# Altium PCB MAIN.PcbDoc (part 2 of 2)
Units mm, origin at the board's own origin, x right, y up, seen from the top; angles counter-clockwise.
Board outline 75 x 75 mm, 4 copper layers (L01 - GND, L02 - SIG, L03 - GND, L04 - SIG), stack 1.564 mm thick; 101 components, 97 nets, 439 pads, 291 vias.
Unrouted connection lines stored in the file: 115.
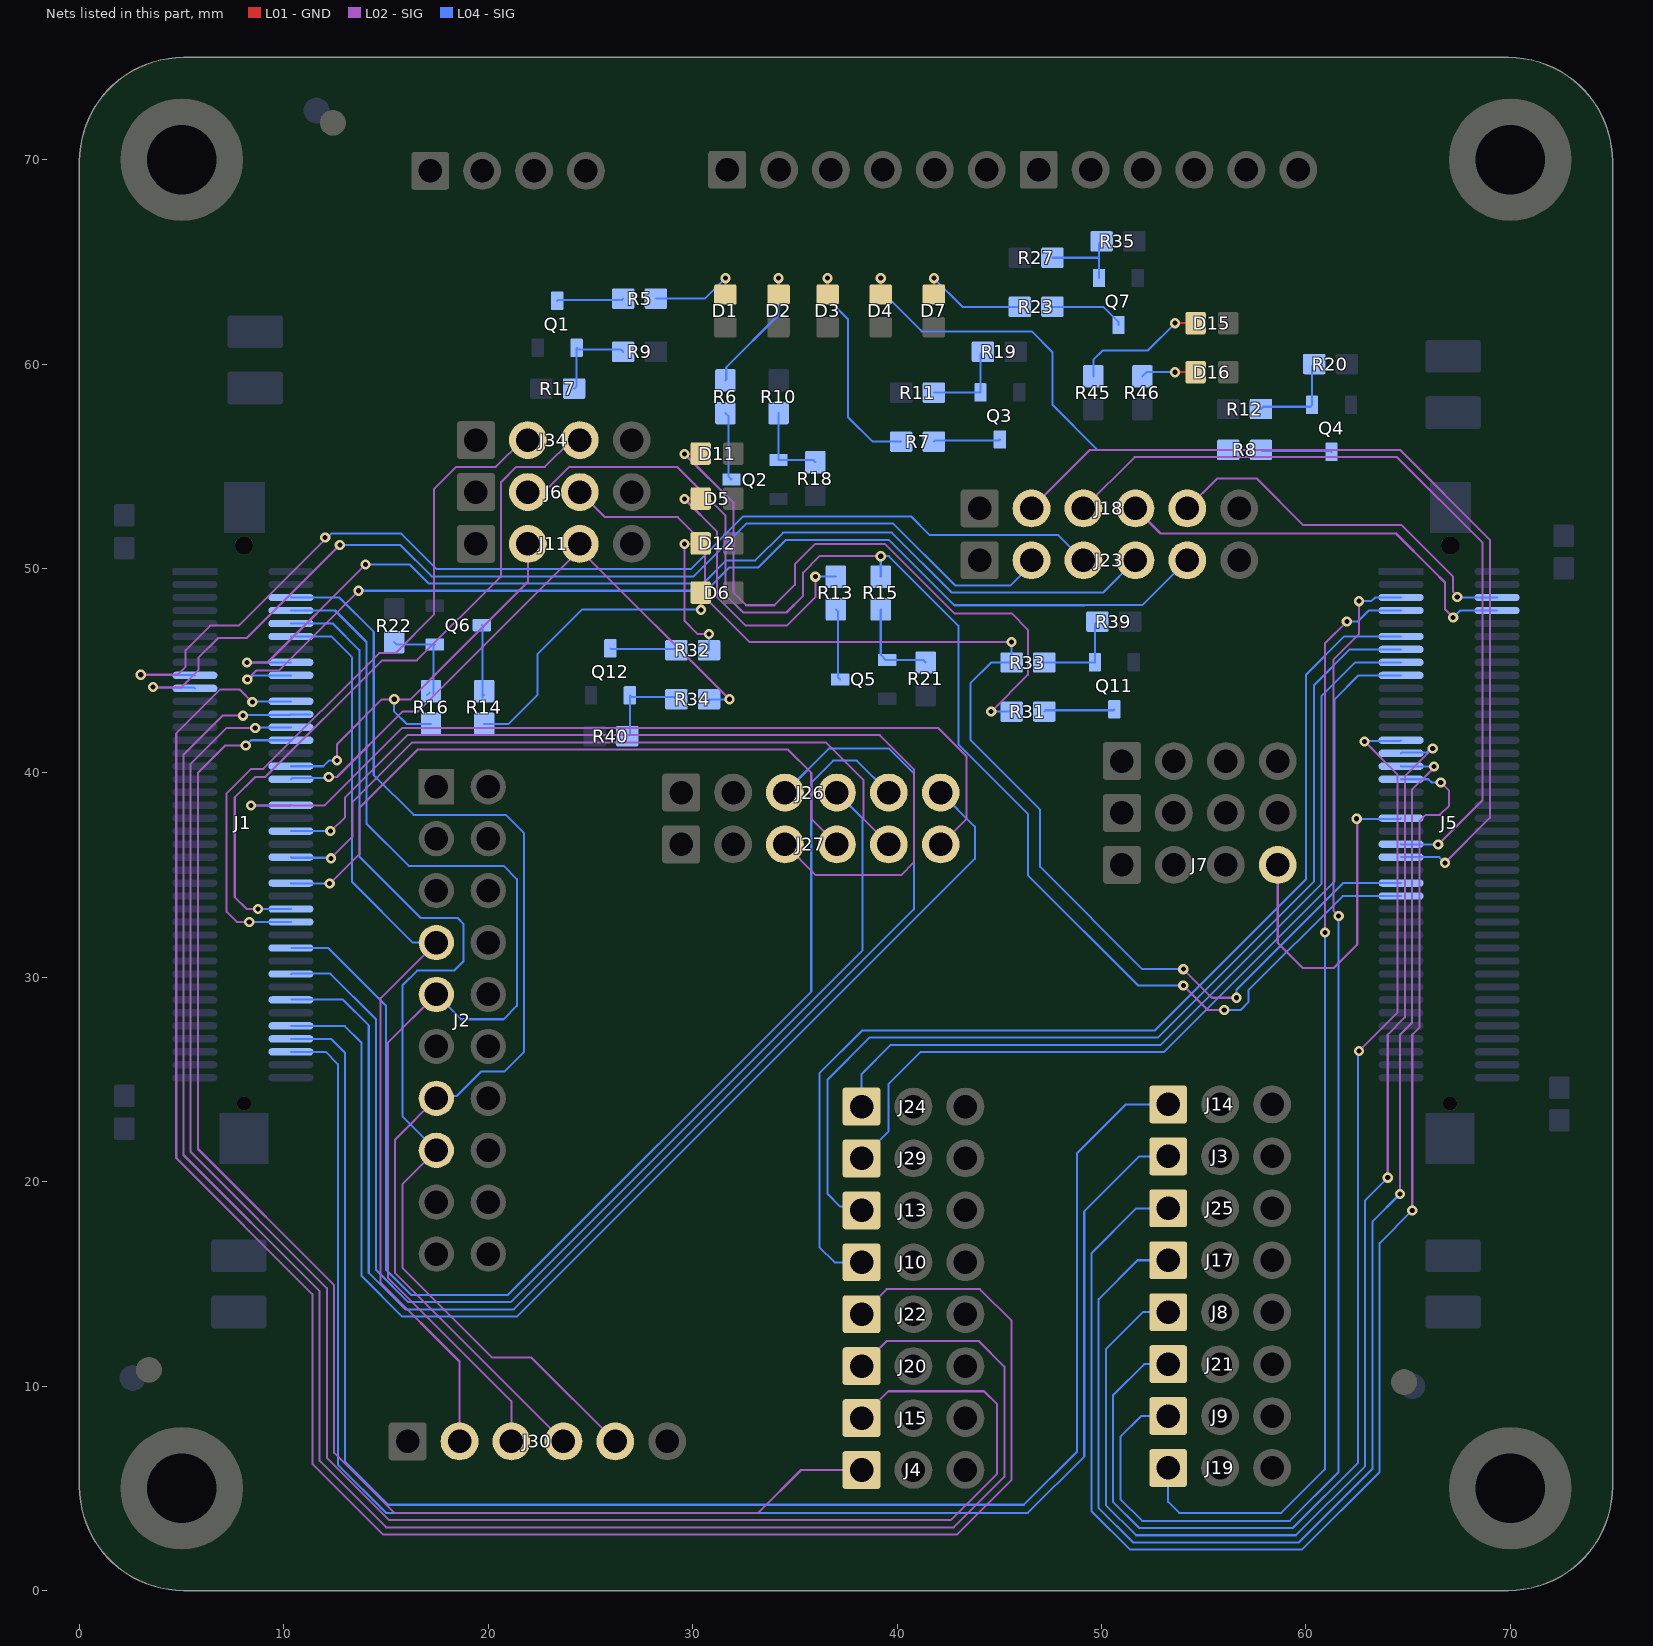
[diagram p4: the nets of this part, all layers, seen from the top]

## Via types
v1: diameter 0.5, hole 0.25, L01 - GND to L04 - SIG, tented both sides, 291 vias

## Nets (pads, with @x,y where several pads share a name; then routed paths per layer and width w, separated by ;. In a path a pad name is that pad's centre, name@x,y a point inside that pad or via, vN(x,y) a via of type N, cw(c..) or ccw(c..) an arc to the next point about the centre after c; other vN are vias at no path point) (continued)
I2C3_SDA: J5.20 J7.4 | length 17
  L02 - SIG w0.1: J7.4@58.62,35.5 58.62,31.679 59.499,30.8 59.853,30.446 61.347,30.446 61.701,30.8 62.508,31.607 62.508,37.725 v1(62.479,37.754)
  L04 - SIG w0.1: v1(62.479,37.754) 64.619,37.754 J5.20@64.65,37.785
LPUART1_RX: J1.68 J34.2 | length 34.6
  L02 - SIG w0.1: v1(8.311,32.711) 7.689,32.711 7.2,33.2 7.2,39 8.4,40.2 9,40.2 14.662,45.862 15.462,45.862 17.354,47.754 17.354,53.893 18.43,54.969 20.369,54.969 21.68,56.28 J34.2@21.94,56.28
  L04 - SIG w0.1: v1(8.311,32.711) 8.314,32.708 10.347,32.708 J1.68@10.35,32.705
LPUART1_TX: J1.67 J34.3 | length 34.7
  L02 - SIG w0.1: v1(8.734,33.347) 8.176,33.347 7.6,33.923 7.6,38.8 8.6,39.8 9.101,39.8 14.809,45.508 16.508,45.508 20.629,49.629 20.629,54.229 21.369,54.969 22.769,54.969 24.08,56.28 J34.3@24.48,56.28
  L04 - SIG w0.1: v1(8.734,33.347) 8.738,33.343 10.347,33.343 J1.67@10.35,33.34
NetD1_2: D1.2 R5.2 | length 4.6
  L01 - GND w0.1: D1.2@31.6,63.4 v1(31.6,64.2)
  L04 - SIG w0.1: R5.2@28.2,63.2 30.6,63.2 v1(31.6,64.2)
NetD2_2: D2.2 R6.2 | length 6.9
  L01 - GND w0.1: D2.2@34.2,63.4 v1(34.2,64.2)
  L04 - SIG w0.1: R6.2@31.6,59.2 31.641,59.241 31.641,59.841 34.2,62.4 v1(34.2,64.2)
NetD3_2: D3.2 R7.2 | length 11.1
  L01 - GND w0.1: D3.2@36.6,63.4 v1(36.6,64.2)
  L04 - SIG w0.1: v1(36.6,64.2) 36.6,63.2 37.6,62.2 37.6,57.4 38.8,56.2 R7.2@40.2,56.2
NetD4_2: D4.2 R8.2 | length 23.1
  L01 - GND w0.1: D4.2@39.2,63.4 v1(39.2,64.2)
  L04 - SIG w0.1: v1(39.2,64.2) 39.2,63.6 41.2,61.6 46.583,61.6 47.6,60.583 47.6,58 49.8,55.8 R8.2@56.2,55.8
NetD5_2: D5.2 R13.2 | length 14.2
  L01 - GND w0.1: v1(29.6,53.4) 29.622,53.422 D5.2@30.39,53.422
  L02 - SIG w0.1: v1(29.6,53.4) 31.2,51.8 31.2,48.6 32.6,47.2 34.6,47.2 36,48.6 v1(36,49.6)
  L04 - SIG w0.1: v1(36,49.6) R13.2@37,49.6
NetD6_2: D6.2 R14.2 | length 15
  L01 - GND w0.1: D6.2@30.39,48.822 30.405,48.807 v1(30.405,47.977)
  L04 - SIG w0.1: R14.2@19.8,42.4 21,42.4 22.4,43.8 22.4,45.8 24.6,48 30.382,48 v1(30.405,47.977)
NetD7_2: D7.2 R23.2 | length 5.6
  L01 - GND w0.1: D7.2@41.8,63.4 v1(41.8,64.2)
  L04 - SIG w0.1: v1(41.8,64.2) 43.2,62.8 R23.2@46,62.8
NetD11_2: D11.2 R31.2 | length 32.5
  L01 - GND w0.1: v1(29.6,55.6) 30.368,55.6 D11.2@30.39,55.622
  L02 - SIG w0.1: v1(29.6,55.6) 32,53.2 32,48.817 32.617,48.2 34,48.2 35,49.2 35,50.2 36,51.2 39.4,51.2 42.8,47.8 45.6,47.8 46.4,47 46.4,44.8 v1(44.6,43)
  L04 - SIG w0.1: v1(44.6,43) R31.2@45.6,43
NetD12_2: D12.2 R32.2 | length 6.8
  L01 - GND w0.1: v1(29.6,51.2) 30.368,51.2 D12.2@30.39,51.222
  L02 - SIG w0.1: v1(29.6,51.2) 29.6,47.433 30.233,46.8 v1(30.8,46.8)
  L04 - SIG w0.1: R32.2@30.8,46 v1(30.8,46.8)
NetD15_2: D15.2 R45.2 | length 6.5
  L01 - GND w0.1: v1(53.6,62) D15.2@54.6,62
  L04 - SIG w0.1: R45.2@49.6,59.4 49.6,60.2 50.062,60.662 52.262,60.662 v1(53.6,62)
NetD16_2: D16.2 R46.2 | length 2.7
  L01 - GND w0.1: v1(53.6,59.6) D16.2@54.6,59.6
  L04 - SIG w0.1: R46.2@52,59.4 52.2,59.6 v1(53.6,59.6)
NetQ1_1: Q1.1 R9.1 R17.2 | length 4.4
  L04 - SIG w0.1: R17.2@24.2,58.8 24.323,58.923 Q1.1@24.323,60.79 24.408,60.705 26.495,60.705 R9.1@26.6,60.6
NetQ1_3: Q1.3 R5.1 | length 3.3
  L04 - SIG w0.1: Q1.3@23.373,63.09 23.418,63.135 26.535,63.135 R5.1@26.6,63.2
NetQ2_1: Q2.1 R10.1 R18.2 | length 4.1
  L04 - SIG w0.1: R10.1@34.2,57.6 Q2.1@34.2,55.3 35.9,55.3 R18.2@36,55.2
NetQ2_3: Q2.3 R6.1 | length 3.4
  L04 - SIG w0.1: R6.1@31.6,57.6 31.76,57.44 31.76,54.49 Q2.3@31.9,54.35
NetQ3_1: Q3.1 R11.1 R19.2 | length 4.3
  L04 - SIG w0.1: R11.1@41.8,58.6 41.81,58.61 Q3.1@44.077,58.61 44.077,60.477 R19.2@44.2,60.6
NetQ3_3: Q3.3 R7.1 | length 3.3
  L04 - SIG w0.1: R7.1@41.8,56.2 41.865,56.265 44.982,56.265 Q3.3@45.027,56.31
NetQ4_1: Q4.1 R12.1 R20.2 | length 4.6
  L04 - SIG w0.1: R12.1@57.8,57.8 57.91,57.91 60.21,57.91 Q4.1@60.3,58 60.3,59.9 R20.2@60.4,60
NetQ4_3: Q4.3 R8.1 | length 3.5
  L04 - SIG w0.1: R8.1@57.8,55.8 57.86,55.74 61.21,55.74 Q4.3@61.25,55.7
NetQ5_1: Q5.1 R15.1 R21.2 | length 4.6
  L04 - SIG w0.1: R15.1@39.2,48 39.2,45.773 39.45,45.523 Q5.1@39.511,45.523 41.277,45.523 R21.2@41.4,45.4
NetQ5_3: Q5.3 R13.1 | length 3.5
  L04 - SIG w0.1: R13.1@37,48 37.115,47.885 37.115,44.668 Q5.3@37.211,44.573
NetQ6_1: Q6.1 R16.1 R22.2 | length 4.8
  L04 - SIG w0.1: R22.2@15.4,46.4 15.523,46.277 Q6.1@17.39,46.277 17.33,46.217 R16.1@17.33,43.73 ; R16.1@17,43.8 R16.1@17.13,43.93
NetQ6_3: Q6.3 R14.1 | length 3.7
  L04 - SIG w0.1: Q6.3@19.69,47.227 19.71,47.207 R14.1@19.71,43.69 ; R14.1@19.71,43.89 R14.1@19.8,43.8
NetQ7_1: Q7.1 R27.1 R35.2 | length 4.1
  L04 - SIG w0.1: R27.1@47.6,65.2 49.877,65.2 ; Q7.1@49.877,64.21 49.877,65.2 ; R35.2@50,66 49.877,65.877 49.877,65.2
NetQ7_3: Q7.3 R23.1 | length 3.7
  L04 - SIG w0.1: R23.1@47.6,62.8 50.087,62.8 50.827,62.06 Q7.3@50.827,61.91
NetQ11_1: Q11.1 R33.1 R39.2 | length 4.5
  L04 - SIG w0.1: R33.1@47.2,45.4 47.21,45.41 Q11.1@49.677,45.41 49.677,47.277 R39.2@49.8,47.4
NetQ11_3: Q11.3 R31.1 | length 3.5
  L04 - SIG w0.1: R31.1@47.2,43 47.265,43.065 50.582,43.065 Q11.3@50.627,43.11
NetQ12_1: Q12.1 R34.1 R40.2 | length 4.4
  L04 - SIG w0.1: R40.2@26.8,41.8 26.923,41.923 Q12.1@26.923,43.79 27.008,43.705 29.095,43.705 R34.1@29.2,43.6
NetQ12_3: Q12.3 R32.1 | length 3.3
  L04 - SIG w0.1: Q12.3@25.973,46.09 26.008,46.055 29.145,46.055 R32.1@29.2,46
NRST: J1.45 J2.15 J30.5 | length 54.9
  L02 - SIG w0.1: J2.15@17.46,21.54 15.8,19.88 15.8,15.8 20.2,11.4 22.115,11.4 J30.5@26.215,7.3
  L04 - SIG w0.1: J1.45@10.35,47.31 12.39,47.31 13.692,46.008 13.692,35.908 16.7,32.9 18.5,32.9 18.8,32.6 18.8,30.8 18.327,30.327 16.526,30.327 15.8,29.6 15.8,23.2 J2.15@17.46,21.54
SPI1_MISO: J1.72 J26.4 | length 57.2
  L04 - SIG w0.1: J1.72@10.362,30.153 10.392,30.183 12.273,30.183 14.508,27.947 14.508,15.693 16.093,14.108 21.107,14.108 38.3,31.301 38.3,37.795 J26.4@37.055,39.04
SPI1_MOSI: J1.70 J26.5 | length 61.3
  L04 - SIG w0.1: J1.70@10.377,31.437 12.163,31.437 15,28.6 15,15.702 16.24,14.462 20.96,14.462 35.8,29.302 35.8,39.523 36.877,40.6 38.035,40.6 J26.5@39.595,39.04
SPI1_NSS: J1.76 J26.6 | length 59.2
  L04 - SIG w0.1: J1.76@10.362,27.613 12.987,27.613 13.8,26.8 13.8,15.4 15.8,13.4 21.4,13.4 43.8,35.8 43.8,37.375 J26.6@42.135,39.04
SPI1_SCK: J1.74 J26.3 | length 66.3
  L04 - SIG w0.1: J1.74@10.385,28.905 12.895,28.905 14.154,27.646 14.154,15.547 15.947,13.754 21.253,13.754 40.824,33.324 40.824,39.976 39.6,41.2 36.675,41.2 J26.3@34.515,39.04
SPI2_MISO: J1.65 J27.4 | length 34
  L02 - SIG w0.1: v1(12.242,34.585) 13.708,36.051 13.708,38.308 16.538,41.138 34.662,41.138 35.8,40 35.8,37.755 J27.4@37.055,36.5
  L04 - SIG w0.1: J1.65@10.35,34.61 10.362,34.598 12.229,34.598 v1(12.242,34.585)
SPI2_MOSI: J1.63 J27.5 | length 35.8
  L02 - SIG w0.1: v1(12.305,35.82) 13.354,36.869 13.354,38.554 16.292,41.492 36.508,41.492 38.366,39.634 38.366,37.729 J27.5@39.595,36.5
  L04 - SIG w0.1: J1.63@10.35,35.88 10.38,35.85 12.275,35.85 v1(12.305,35.82)
SPI2_NSS: J1.59 J27.6 | length 43.9
  L02 - SIG w0.1: v1(8.4,38.4) 11.983,38.4 15.783,42.2 42,42.2 43.4,40.8 43.4,37.765 J27.6@42.135,36.5
  L04 - SIG w0.1: v1(8.4,38.4) 8.41,38.41 10.34,38.41 J1.59@10.35,38.42
SPI2_SCK: J1.61 J27.3 | length 45.4
  L02 - SIG w0.1: v1(12.275,37.164) 12.329,37.164 13,37.836 13,38.8 16.046,41.846 39.154,41.846 40.824,40.176 40.824,35.624 40.2,35 36.015,35 J27.3@34.515,36.5
  L04 - SIG w0.1: J1.61@10.35,37.15 10.357,37.157 12.268,37.157 v1(12.275,37.164)
SWCLK: J1.44 J2.9 J30.3 | length 58
  L02 - SIG w0.1: J2.9@17.46,29.16 15.092,26.792 15.092,15.307 21.135,9.264 J30.3@21.135,7.3
  L04 - SIG w0.1: J1.44@10.35,47.945 12.505,47.945 14.046,46.404 14.046,37.508 16.104,35.45 20.75,35.45 21.4,34.8 21.4,28.6 20.75,27.95 18.67,27.95 J2.9@17.46,29.16
SWDIO: J1.46 J2.7 J30.2 | length 46.9
  L02 - SIG w0.1: J2.7@17.46,31.7 14.738,28.978 14.738,15.062 18.595,11.205 J30.2@18.595,7.3
  L04 - SIG w0.1: J1.46@10.35,46.675 12.325,46.675 13.338,45.662 13.338,34.662 16.3,31.7 J2.7@17.46,31.7
SWO: J1.43 J2.13 J30.4 | length 57.2
  L02 - SIG w0.1: J2.13@17.46,24.08 15.446,22.066 15.446,15.529 J30.4@23.675,7.3
  L04 - SIG w0.1: J1.43@10.35,48.58 12.72,48.58 14.4,46.9 14.4,39.893 16.347,37.947 20.853,37.947 21.754,37.046 21.754,26.354 20.8,25.4 19.67,25.4 18.473,24.202 17.582,24.202 J2.13@17.46,24.08
TIM1_CH1: J1.78 J3.1 | length 78
  L04 - SIG w0.1: J1.78@10.35,26.355 12.045,26.355 12.646,25.754 12.646,6.154 15,3.8 46.4,3.8 49.154,6.554 49.154,18.554 51.84,21.24 J3.1@53.26,21.24
TIM1_CH2: J1.77 J14.1 | length 80.7
  L04 - SIG w0.1: J1.77@10.35,26.99 12.306,26.99 13,26.296 13,6.301 15.101,4.2 46.2,4.2 48.8,6.8 48.8,21.4 51.18,23.78 J14.1@53.26,23.78
TIM3_CH1: J5.6 J10.1 | length 54
  L04 - SIG w0.1: J10.1@38.26,16.06 36.94,16.06 36.2,16.8 36.2,25.299 38.301,27.4 52.597,27.4 60,34.803 60,44.8 61.875,46.675 J5.6@64.65,46.675
TIM3_CH2: J5.7 J13.1 | length 50
  L04 - SIG w0.1: J13.1@38.26,18.6 38.06,18.8 37.2,18.8 36.6,19.4 36.6,25 38.646,27.046 52.744,27.046 60.4,34.702 60.4,44.299 62.141,46.04 J5.7@64.65,46.04
TIM3_CH3: J5.8 J24.1 | length 41.7
  L04 - SIG w0.1: J24.1@38.26,23.68 38.26,25.26 39.692,26.692 52.891,26.692 60.754,34.555 60.754,43.754 62.405,45.405 J5.8@64.65,45.405
TIM3_CH4: J5.9 J29.1 | length 42.8
  L04 - SIG w0.1: J29.1@38.26,21.14 39.571,22.451 39.571,24.771 41.138,26.338 53.037,26.338 61.4,34.701 61.4,43.6 62.57,44.77 J5.9@64.65,44.77
TIM4_CH1: J1.54 J4.1 | length 69.1
  L02 - SIG w0.1: v1(8.139,41.341) 7.141,41.341 5.8,40 5.8,21.6 12.462,14.938 12.462,6.738 15.4,3.8 33.2,3.8 35.3,5.9 J4.1@38.26,5.9
  L04 - SIG w0.1: v1(8.139,41.341) 8.395,41.597 10.347,41.597 J1.54@10.35,41.595
TIM4_CH2: J1.53 J15.1 | length 88.2
  L02 - SIG w0.1: v1(8.6,42.2) 7.2,42.2 5.446,40.446 5.446,21.453 12.108,14.791 12.108,6.492 15.154,3.446 42.624,3.446 44.892,5.714 44.892,9.108 44.249,9.751 39.571,9.751 J15.1@38.26,8.44
  L04 - SIG w0.1: v1(8.6,42.2) 8.615,42.215 10.335,42.215 J1.53@10.35,42.23
TIM4_CH3: J1.52 J20.1 | length 93.6
  L02 - SIG w0.1: v1(8,42.8) 7,42.8 5.092,40.892 5.092,21.307 11.754,14.645 11.754,6.345 15.007,3.092 42.771,3.092 45.246,5.567 45.246,10.954 43.991,12.209 39.489,12.209 J20.1@38.26,10.98
  L04 - SIG w0.1: v1(8,42.8) 8.032,42.833 10.317,42.833 J1.52@10.35,42.865 J1.52@11.27,42.865
TIM4_CH4: J1.51 J22.1 | length 98.3
  L02 - SIG w0.1: v1(8.459,43.465) 7.855,44.069 6.871,44.069 4.738,41.936 4.738,21.16 11.4,14.498 11.4,6.199 14.861,2.738 42.917,2.738 45.6,5.421 45.6,13.2 44.051,14.749 39.489,14.749 J22.1@38.26,13.52
  L04 - SIG w0.1: v1(8.459,43.465) 8.477,43.483 10.333,43.483 J1.51@10.35,43.5
TIM5_CH1: J5.14 J21.1 | length 60.9
  L02 - SIG w0.1: v1(62.6,26.4) 64.484,28.284 64.484,39.918 v1(62.868,41.534)
  L04 - SIG w0.1: J21.1@53.26,11.08 52.08,11.08 50.57,9.57 50.57,4.329 51.837,3.062 59.36,3.062 62.538,6.24 62.538,26.338 v1(62.6,26.4) ; v1(62.868,41.534) 62.898,41.565 64.62,41.565 J5.14@64.65,41.595
TIM5_CH2: J5.15 J8.1 | length 64.2
  L02 - SIG w0.1: v1(64,20.2) 64,27.2 64.838,28.038 64.838,39.838 v1(66.2,41.2)
  L04 - SIG w0.1: J8.1@53.26,13.62 52.02,13.62 50.216,11.816 50.216,4.183 51.691,2.708 59.507,2.708 62.892,6.093 62.892,19.092 v1(64,20.2) ; J5.15@64.65,40.96 64.698,41.008 65.9,41.008 66.092,41.2 v1(66.2,41.2)
TIM5_CH3: J5.16 J17.1 | length 67.2
  L02 - SIG w0.1: v1(64.6,19.4) 64.6,27.2 65.192,27.792 65.192,39.192 66.266,40.266 v1(66.266,40.316)
  L04 - SIG w0.1: J17.1@53.26,16.16 51.76,16.16 49.862,14.262 49.862,4.036 51.544,2.354 59.653,2.354 63.246,5.947 63.246,18.046 v1(64.6,19.4) ; J5.16@64.65,40.325 64.655,40.32 66.261,40.32 v1(66.266,40.316)
TIM5_CH4: J5.17 J25.1 | length 71.5
  L02 - SIG w0.1: v1(65.2,18.6) 65.2,27.2 65.563,27.563 65.563,29.299 65.546,29.316 65.546,37.633 65.859,37.946 66.546,37.946 67,38.4 67,39.126 v1(66.593,39.533)
  L04 - SIG w0.1: J25.1@53.26,18.7 51.7,18.7 49.508,16.508 49.508,3.889 51.397,2 59.8,2 63.6,5.8 63.6,17 v1(65.2,18.6) ; J5.17@64.65,39.69 65.987,39.69 66.143,39.534 66.591,39.534 v1(66.593,39.533)
TIM16_CH1: J5.3 J9.1 | length 63.2
  L02 - SIG w0.1: v1(61.6,33) 61.354,33.246 61.354,45.554 62.6,46.8 v1(62.6,48.4)
  L04 - SIG w0.1: J9.1@53.26,8.54 51.94,8.54 50.924,7.524 50.924,4.476 51.984,3.416 59.213,3.416 61.6,5.803 v1(61.6,33) ; v1(62.6,48.4) 63.2,48.4 63.38,48.58 J5.3@64.65,48.58
TIM17_CH1: J5.4 J19.1 | length 55.2
  L02 - SIG w0.1: v1(60.928,32.19) 60.928,46.328 v1(62,47.4)
  L04 - SIG w0.1: J19.1@53.26,6 53.26,4.34 53.8,3.8 58.8,3.8 60.928,5.928 v1(60.928,32.19) ; v1(62,47.4) 62.522,47.4 63.067,47.945 J5.4@64.65,47.945
UART4_CTS: J5.43 J18.5 | length 18.6
  L02 - SIG w0.1: J18.5@54.195,52.94 55.655,54.4 57.6,54.4 59.877,52.123 64.677,52.123 67.2,49.6 67.2,48.859 67.4,48.659 v1(67.4,48.6)
  L04 - SIG w0.1: v1(67.4,48.6) 67.41,48.59 69.34,48.59 J5.43@69.35,48.58
UART4_RTS: J5.44 J18.4 | length 20.8
  L02 - SIG w0.1: J18.4@51.655,52.94 52.884,51.711 64.402,51.711 66.207,49.907 66.8,49.313 66.8,48 v1(67.2,47.6)
  L04 - SIG w0.1: v1(67.2,47.6) 67.545,47.945 J5.44@69.35,47.945
UART4_RX: J5.23 J18.2 | length 44.4
  L02 - SIG w0.1: J18.2@46.575,52.94 49.435,55.8 64.6,55.8 69,51.4 69,37.8 v1(66.8,35.6)
  L04 - SIG w0.1: J5.23@64.65,35.88 66.52,35.88 v1(66.8,35.6)
UART4_TX: J5.22 J18.3 | length 39.8
  L02 - SIG w0.1: J18.3@49.115,52.94 51.621,55.446 64.453,55.446 68.646,51.253 68.646,38.676 v1(66.466,36.496)
  L04 - SIG w0.1: J5.22@64.65,36.515 64.659,36.506 66.457,36.506 v1(66.466,36.496)
USART1_CTS: J1.49 J23.5 | length 53.3
  L02 - SIG w0.1: v1(8.214,44.575) 8.64,45 9.75,45 v1(13.659,48.909)
  L04 - SIG w0.1: v1(8.214,44.575) 8.323,44.575 8.518,44.77 J1.49@10.35,44.77 ; v1(13.659,48.909) 30.66,48.909 31.797,50.046 33.213,50.046 34.567,51.4 39.6,51.4 42.8,48.2 49.164,48.2 49.168,48.204 51.999,48.204 J23.5@54.195,50.4
USART1_RTS: J1.48 J23.4 | length 50.9
  L02 - SIG w0.1: v1(8.2,45.4) 9.2,45.4 v1(14,50.2)
  L04 - SIG w0.1: v1(8.2,45.4) 8.202,45.402 10.347,45.402 J1.48@10.35,45.405 ; v1(14,50.2) 16.15,50.2 17.087,49.263 30.513,49.263 31.65,50.4 33.067,50.4 34.421,51.754 39.747,51.754 42.684,48.817 50.072,48.817 J23.4@51.655,50.4
USART1_RX: J1.10 J23.2 | length 51.9
  L02 - SIG w0.1: v1(3.6,44.2) 3.621,44.179 4.979,44.179 5.823,45.023 5.823,45.623 6.8,46.6 8.192,46.6 v1(12.74,51.148)
  L04 - SIG w0.1: v1(3.6,44.2) 3.633,44.167 5.617,44.167 J1.10@5.65,44.135 ; v1(12.74,51.148) 15.703,51.148 17.234,49.617 30.048,49.617 32.627,52.196 39.805,52.196 42.83,49.171 45.55,49.171 46.575,50.196 J23.2@46.575,50.4
USART1_TX: J1.9 J23.3 | length 54.8
  L02 - SIG w0.1: v1(3,44.8) 4.8,44.8 5.2,45.2 5.2,46 6.4,47.2 7.8,47.2 12.023,51.423 v1(12.023,51.508)
  L04 - SIG w0.1: v1(3,44.8) 3.015,44.785 5.635,44.785 J1.9@5.65,44.77 ; v1(12.023,51.508) 12.132,51.508 12.327,51.704 15.746,51.704 17.479,49.971 29.901,49.971 32.48,52.55 40.68,52.55 41.601,51.629 47.886,51.629 J23.3@49.115,50.4
USART2_RX: J5.26 J6.2 R15.2 | length 68.3
  L02 - SIG w0.1: J6.2@21.94,53.74 22.213,54.013 23.015,54.013 23.971,54.969 29.231,54.969 31.6,52.6 31.6,48.716 32.47,47.846 34.587,47.846 35.4,48.659 35.4,49.8 36.2,50.6 v1(39.2,50.6) ; v1(54,29.6) 55.2,28.4 v1(56,28.4)
  L04 - SIG w0.1: R15.2@39.2,49.6 v1(39.2,50.6) 39.6,50.6 43,47.2 43,41.4 46.4,38 46.4,35 51.8,29.6 v1(54,29.6) ; v1(56,28.4) 56.8,28.4 57.2,28.8 57.2,29.383 61.792,33.975 J5.26@64.65,33.975
USART2_TX: J5.25 J6.3 R33.2 | length 62.4
  L02 - SIG w0.1: J6.3@24.48,53.74 25.709,52.511 29.272,52.511 30.6,51.183 30.6,48.583 32.783,46.4 v1(45.6,46.4) ; v1(54,30.4) 55.4,29 v1(56.6,29)
  L04 - SIG w0.1: v1(45.6,46.4) R33.2@45.6,45.4 44.6,45.4 43.6,44.4 43.6,41.6 47,38.2 47,35.4 52,30.4 v1(54,30.4) ; v1(56.6,29) 56.6,29.4 61.81,34.61 J5.25@64.65,34.61
USART3_RX: J1.56 J11.2 R16.2 | length 20.3
  L02 - SIG w0.1: v1(12.6,40.6) 12.6,41.4 14.8,43.6 v1(15.4,43.6) 16.2,43.6 17.754,45.154 21.94,49.34 J11.2@21.94,51.2
  L04 - SIG w0.1: J1.56@10.35,40.325 11.928,40.325 12.2,40.597 12.597,40.597 v1(12.6,40.6) ; v1(15.4,43.6) 15.4,43 16,42.4 R16.2@17.2,42.4
USART3_TX: J1.57 J11.3 R34.2 | length 30.4
  L02 - SIG w0.1: v1(12.2,39.8) 12.6,39.8 15.8,43 16.56,43 J11.3@24.48,50.92 ; J11.3@24.48,51.2 J11.3@24.48,50.92 ; v1(31.8,43.6) J11.3@24.48,50.92
  L04 - SIG w0.1: J1.57@10.35,39.69 10.4,39.74 12.14,39.74 v1(12.2,39.8) ; R34.2@30.8,43.6 v1(31.8,43.6)
pads on no net: FD1.1 FD2.1 FD3.1 FD4.1 FD5.1 FD6.1 J1. J1.13 J1.14 J1.15 J1.16 J1.17 J1.18 J1.19 J1.20 J1.21 J1.22 J1.23 J1.24 J1.25 J1.26 J1.27 J1.28 J1.29 J1.30 J1.31 J1.32 J1.33 J1.34 J1.35 J1.36 J1.37 J2.3 J2.5 J2.11 J2.17 J2.19 J5. J5.50 J5.51 J5.52 J5.53 J5.54 J5.55 J5.56 J5.57 J5.58 J5.59 J5.60 J5.61 J5.62 J5.63 J5.64 J5.65 J5.66 J5.67 J5.68 J5.69 J5.71 J5.72 J5.73 J5.74 J5.75 J5.76 J5.77 MH1.1 MH2.1 MH3.1 MH4.1

## Polygon pours and split planes (outlines as drawn)
GND on L03 - GND "GND_L03_P000" (solid, remove dead copper, pour order 0): 0,0 75,0 75,75 0,75
GND on L01 - GND "GND_L01_P001" (solid, remove dead copper, pour order 1): 0,0 75,0 75,75 0,75

## Silkscreen, mask and mechanical layers (free items; w line width, h text height)
Top Overlay:
  lines w0.15: 14.3,39.8 15.6,39.8 ; 16.6,44 18.8,44 ; 18.8,41.3 18.8,44 ; 21,44 18.8,44
  lines w0.2: 13.4,40 13.6,39.8 ; 13.6,39.8 13.2,39.4 13.2,40.2 13.6,39.8
  lines w0.22: 13.375,39.6 13.375,40
  text "GPIO" at 44.2,71.8 h1.52
  text "ADC" at 19.702,71.713 h2
  text "IO1" at 32.085,64.95 h2 r90
  text "IO2" at 34.685,64.9 h2 r90
  text "IO4" at 39.735,64.9 h2 r90
  text "IO5" at 42.335,64.9 h2 r90
  text "IO6" at 47.485,64.9 h2 r90
  text "IO7" at 50.035,64.9 h2 r90
  text "IO8" at 52.565,64.9 h2 r90
  text "IO9" at 55.105,64.9 h2 r90
  text "IO3" at 37.135,64.85 h2 r90
  text "GND" at 60.185,64.15 h2 r90
  text "IO10" at 57.645,64.1 h2 r90
  text "GND" at 44.885,64.05 h2 r90
  text "IN11" at 17.645,64 h2 r90
  text "IN12" at 20.185,64 h2 r90
  text "IN15" at 22.715,64 h2 r90
  text "GND" at 25.255,64 h2 r90
  text "3V3" at 57.4,61.465 h2
  text "5V" at 57.4,59.065 h2
  text "UART" at 21.55,58.615 h2
  text "LPUART1" at 11.373,55.715 h2
  text "UART" at 48.75,55.415 h2
  text "U2_TX" at 33.2,55.219 h1.5
  text "USART2" at 12.156,53.175 h2
  text "U2_RX" at 33.2,53.019 h1.5
  text "UART4" at 37.4,52.615 h2
  text "U3_TX" at 33.2,50.819 h1.5
  text "USART3" at 12.166,50.635 h2
  text "USART1" at 36.8,49.615 h2
  text "U2_TX" at 33.2,48.419 h1.5
  text "TX" at 24.985,47.422 h2 r90
  text "RX" at 22.445,47.4 h2 r90
  text "3V3" at 19.775,46.622 h2 r90
  text "RX" at 47.045,46.5 h2 r90
  text "TX" at 49.595,46.5 h2 r90
  text "GND" at 27.575,46.022 h2 r90
  text "RTS" at 52.155,45.8 h2 r90
  text "CTS" at 54.695,45.8 h2 r90
  text "3V3" at 44.535,45.6 h2 r90
  text "GND" at 57.235,45.2 h2 r90
  text "ST-LINK" at 16.4,44.615 h2
  text "I2C" at 54,42.813 h2
  text "SPI" at 34.85,41.215 h2
  text "I2C1" at 46.179,40.013 h2
  text "SPI1" at 24.6,38.465 h2
  text "I2C2" at 46.182,37.513 h2
  text "SPI2" at 24.6,35.925 h2
  text "I2C3" at 46.242,34.965 h2
  text "3V3" at 29.935,31.75 h2 r90
  text "SCK" at 35.015,31.75 h2 r90
  text "NSS" at 42.635,31.75 h2 r90
  text "GND" at 32.475,31.15 h2 r90
  text "SCL" at 56.635,30.9 h2 r90
  text "MISO" at 37.555,30.75 h2 r90
  text "MOSI" at 40.095,30.75 h2 r90
  text "3V3" at 51.535,30.75 h2 r90
  text "SDA" at 59.085,30.55 h2 r90
  text "GND" at 54.085,30.2 h2 r90
  text "NON-DMA TIM" at 36,26.215 h2
  text "DMA TIM" at 52.8,26.205 h2
  text "T3_C3" at 31.964,23.292 h2
  text "T1_C2" at 47.154,23.292 h2
  text "T3_C4" at 31.913,20.752 h2
  text "T1_C1" at 47.151,20.752 h2
  text "T3_C2" at 31.954,18.212 h2
  text "T5_C4" at 47.113,18.212 h2
  text "T3_C1" at 31.951,15.672 h2
  text "T5_C3" at 47.164,15.672 h2
  text "T4_C4" at 31.913,13.132 h2
  text "T5_C2" at 47.154,13.132 h2
  text "T4_C3" at 31.964,10.592 h2
  text "T5_C1" at 47.151,10.592 h2
  text "PROGRAMMING - SWD" at 14.778,9.615 h2
  text "T4_C2" at 31.954,8.052 h2
  text "T16_C1" at 46.321,8.052 h2
  text "T4_C1" at 31.951,5.512 h2
  text "T17_C1" at 46.321,5.512 h2
  text "3V3" at 16.585,2.55 h2 r90
  text "GND" at 29.285,2 h2 r90
  text "CH" at 53.787,2 h2 r90
  text "5V" at 56.385,2 h2 r90
  text "5V" at 41.385,1.85 h2 r90
  text "SWO" at 24.205,1.8 h2 r90
  text "CH" at 38.787,1.8 h2 r90
  text "NRST" at 26.745,1.6 h2 r90
  text "GND" at 58.885,0.75 h2 r90
  text "GND" at 43.985,0.6 h2 r90
  text "SWDIO" at 19.125,0.4 h2 r90
  text "SWCLK" at 21.665,0.4 h2 r90
Bottom Overlay:
  drawing of 18 lines, arcs and shapes, not listed
  text "Zeropilot 3.0 / Dev Interface /  / Ethan Abraham / Daniel Puratich / Darwin Clark /  / February 2023" at 36.5,9 h1.7
Drill Guide:
  drawing of 497 lines, arcs and shapes, not listed
  text "Layer" at 85.889,71.888 h0.73
  text "Name" at 90.965,71.888 h0.73
  text "Material" at 102.407,71.888 h0.73
  text "Thickness" at 112.992,71.888 h0.73
  text "Constant" at 121.006,71.888 h0.73
  text "Board Layer Stack" at 128.04,71.888 h0.73
  text "Top Overlay" at 90.965,70.418 h0.73
  text "Top Solder" at 90.965,68.948 h0.73
  text "Solder Resist" at 102.407,68.948 h0.73
  text "0.79mil" at 112.992,68.948 h0.73
  text "3.5" at 121.006,68.948 h0.73
  text "1" at 85.889,67.479 h0.73
  text "L01 - GND" at 90.965,67.479 h0.73
  text "1.38mil" at 112.992,67.479 h0.73
  text "Dielectric 2" at 90.965,66.009 h0.73
  text "PP-006" at 102.407,66.009 h0.73
  text "3.91mil" at 112.992,66.009 h0.73
  text "4.1" at 121.006,66.009 h0.73
  text "2" at 85.889,64.539 h0.73
  text "L02 - SIG" at 90.965,64.539 h0.73
  text "CF-004" at 102.407,64.539 h0.73
  text "0.60mil" at 112.992,64.539 h0.73
  text "Core" at 90.965,63.07 h0.73
  text "FR-4" at 102.407,63.07 h0.73
  text "49.80mil" at 112.992,63.07 h0.73
  text "4.8" at 121.006,63.07 h0.73
  text "3" at 85.889,61.6 h0.73
  text "L03 - GND" at 90.965,61.6 h0.73
  text "CF-004" at 102.407,61.6 h0.73
  text "0.60mil" at 112.992,61.6 h0.73
  text "Dielectric 3" at 90.965,60.13 h0.73
  text "PP-006" at 102.407,60.13 h0.73
  text "3.91mil" at 112.992,60.13 h0.73
  text "4.1" at 121.006,60.13 h0.73
  text "4" at 85.889,58.66 h0.73
  text "L04 - SIG" at 90.965,58.66 h0.73
  text "1.38mil" at 112.992,58.66 h0.73
  text "Bottom Solder" at 90.965,57.191 h0.73
  text "Solder Resist" at 102.407,57.191 h0.73
  text "0.79mil" at 112.992,57.191 h0.73
  text "3.5" at 121.006,57.191 h0.73
  text "Bottom Overlay" at 90.965,55.721 h0.73
M1 Board Outline:
  the board outline again, w0.254
Drill Drawing:
  circle w0.15: c2.61,86.986 r0.361
  lines w0.15: 2.249,83.556 2.429,83.556 2.429,83.375 2.791,83.375 2.791,83.556 2.971,83.556 2.971,83.917 2.791,83.917 2.791,84.097 2.429,84.097 2.429,83.917 2.249,83.917 2.249,83.556 ; 2.249,85 2.61,85.181 2.971,85 2.791,85.361 2.971,85.722 2.61,85.542 2.249,85.722 2.429,85.361 2.249,85 ; 2.249,88.25 2.971,88.25 2.971,88.972 2.249,88.972 2.249,88.25 ; 2.249,90.056 2.429,90.056 2.61,89.875 2.791,90.056 2.971,90.056 2.791,90.236 2.971,90.417 2.791,90.417 2.61,90.597 2.429,90.417 2.249,90.417 2.429,90.236 2.249,90.056 ; 2.249,92.222 2.971,92.222 2.61,91.5 2.249,92.222
  lines w0.381: 1.588,82.887 151.825,82.887 ; 1.588,92.638 151.825,92.638 ; 7.689,81.262 7.689,94.263 ; 14.271,81.262 14.271,94.263 ; 26.809,81.262 26.809,94.263 ; 32.423,81.262 32.423,94.263 ; 40.506,81.262 40.506,94.263 ; 54.993,81.262 54.993,94.263 ; 61.516,81.262 61.516,94.263 ; 69.729,81.262 69.729,94.263 ; 88.44,81.262 88.44,94.263 ; 97.823,81.262 97.823,94.263 ; 112.403,81.262 112.403,94.263 ; 126.984,81.262 126.984,94.263 ; 136.497,81.262 136.497,94.263 ; 1.588,81.262 151.825,81.262 151.825,94.263 1.588,94.263 1.588,81.262
  text "Symbol" at 2.563,93.125 h0.78
  text "Count" at 8.177,93.125 h0.78
  text "Hole Size" at 14.758,93.125 h0.78
  text "Plated" at 27.296,93.125 h0.78
  text "Hole Type" at 32.91,93.125 h0.78
  text "Drill Layer Pair" at 40.993,93.125 h0.78
  text "Via/Pad" at 55.48,93.125 h0.78
  text "Pad Shape" at 62.004,93.125 h0.78
  text "Template" at 70.217,93.125 h0.78
  text "Description" at 88.928,93.125 h0.78
  text "Hole Tolerance (+)" at 98.31,93.125 h0.78
  text "Hole Tolerance (-)" at 112.891,93.125 h0.78
  text "Hole Length" at 127.472,93.125 h0.78
  text "Routed Path Length" at 136.984,93.125 h0.78
  text "2" at 8.177,91.5 h0.65
  text "27.56mil (0.700mm)" at 14.758,91.5 h0.65
  text "NPTH" at 27.296,91.5 h0.65
  text "Round" at 32.91,91.5 h0.65
  text "L01 - GND - L04 - SIG" at 40.993,91.5 h0.65
  text "Pad" at 55.48,91.5 h0.65
  text "Rounded" at 62.004,91.5 h0.65
  text "c70hn70m70" at 70.217,91.5 h0.65
  text "-" at 127.472,91.5 h0.65
  text "-" at 136.984,91.5 h0.65
  text "2" at 8.177,89.875 h0.65
  text "35.43mil (0.900mm)" at 14.758,89.875 h0.65
  text "NPTH" at 27.296,89.875 h0.65
  text "Round" at 32.91,89.875 h0.65
  text "L01 - GND - L04 - SIG" at 40.993,89.875 h0.65
  text "Pad" at 55.48,89.875 h0.65
  text "Rounded" at 62.004,89.875 h0.65
  text "c90hn90m90" at 70.217,89.875 h0.65
  text "-" at 127.472,89.875 h0.65
  text "-" at 136.984,89.875 h0.65
  text "4" at 8.177,88.25 h0.65
  text "133.86mil (3.400mm)" at 14.758,88.25 h0.65
  text "PTH" at 27.296,88.25 h0.65
  text "Round" at 32.91,88.25 h0.65
  text "L01 - GND - L04 - SIG" at 40.993,88.25 h0.65
  text "Pad" at 55.48,88.25 h0.65
  text "Rounded" at 62.004,88.25 h0.65
  text "c600h340" at 70.217,88.25 h0.65
  text "-" at 127.472,88.25 h0.65
  text "-" at 136.984,88.25 h0.65
  text "20" at 8.177,86.625 h0.65
  text "45.28mil (1.150mm)" at 14.758,86.625 h0.65
  text "PTH" at 27.296,86.625 h0.65
  text "Round" at 32.91,86.625 h0.65
  text "L01 - GND - L04 - SIG" at 40.993,86.625 h0.65
  text "Pad" at 55.48,86.625 h0.65
  text "(Mixed)" at 62.004,86.625 h0.65
  text "(Mixed)" at 70.217,86.625 h0.65
  text "-" at 127.472,86.625 h0.65
  text "-" at 136.984,86.625 h0.65
  text "118" at 8.177,85 h0.65
  text "45.28mil (1.150mm)" at 14.758,85 h0.65
  text "PTH" at 27.296,85 h0.65
  text "Round" at 32.91,85 h0.65
  text "L01 - GND - L04 - SIG" at 40.993,85 h0.65
  text "Pad" at 55.48,85 h0.65
  text "(Mixed)" at 62.004,85 h0.65
  text "(Mixed)" at 70.217,85 h0.65
  text "3.94mil (0.100mm)" at 98.31,85 h0.65
  text "3.94mil (0.100mm)" at 112.891,85 h0.65
  text "-" at 127.472,85 h0.65
  text "-" at 136.984,85 h0.65
  text "291" at 8.177,83.375 h0.65
  text "9.84mil (0.250mm)" at 14.758,83.375 h0.65
  text "PTH" at 27.296,83.375 h0.65
  text "Round" at 32.91,83.375 h0.65
  text "L01 - GND - L04 - SIG" at 40.993,83.375 h0.65
  text "Via" at 55.48,83.375 h0.65
  text "Rounded" at 62.004,83.375 h0.65
  text "v50h25m0mx0(Tol5-5)_91342138" at 70.217,83.375 h0.65
  text "1.97mil (0.050mm)" at 98.31,83.375 h0.65
  text "1.97mil (0.050mm)" at 112.891,83.375 h0.65
  text "-" at 127.472,83.375 h0.65
  text "-" at 136.984,83.375 h0.65
  text "437 Total" at 8.177,81.75 h0.65